# Altium PCB HAWACO_DATALOGER_DT-G2_V1.0.3.PcbDoc (part 1 of 3) (continued)
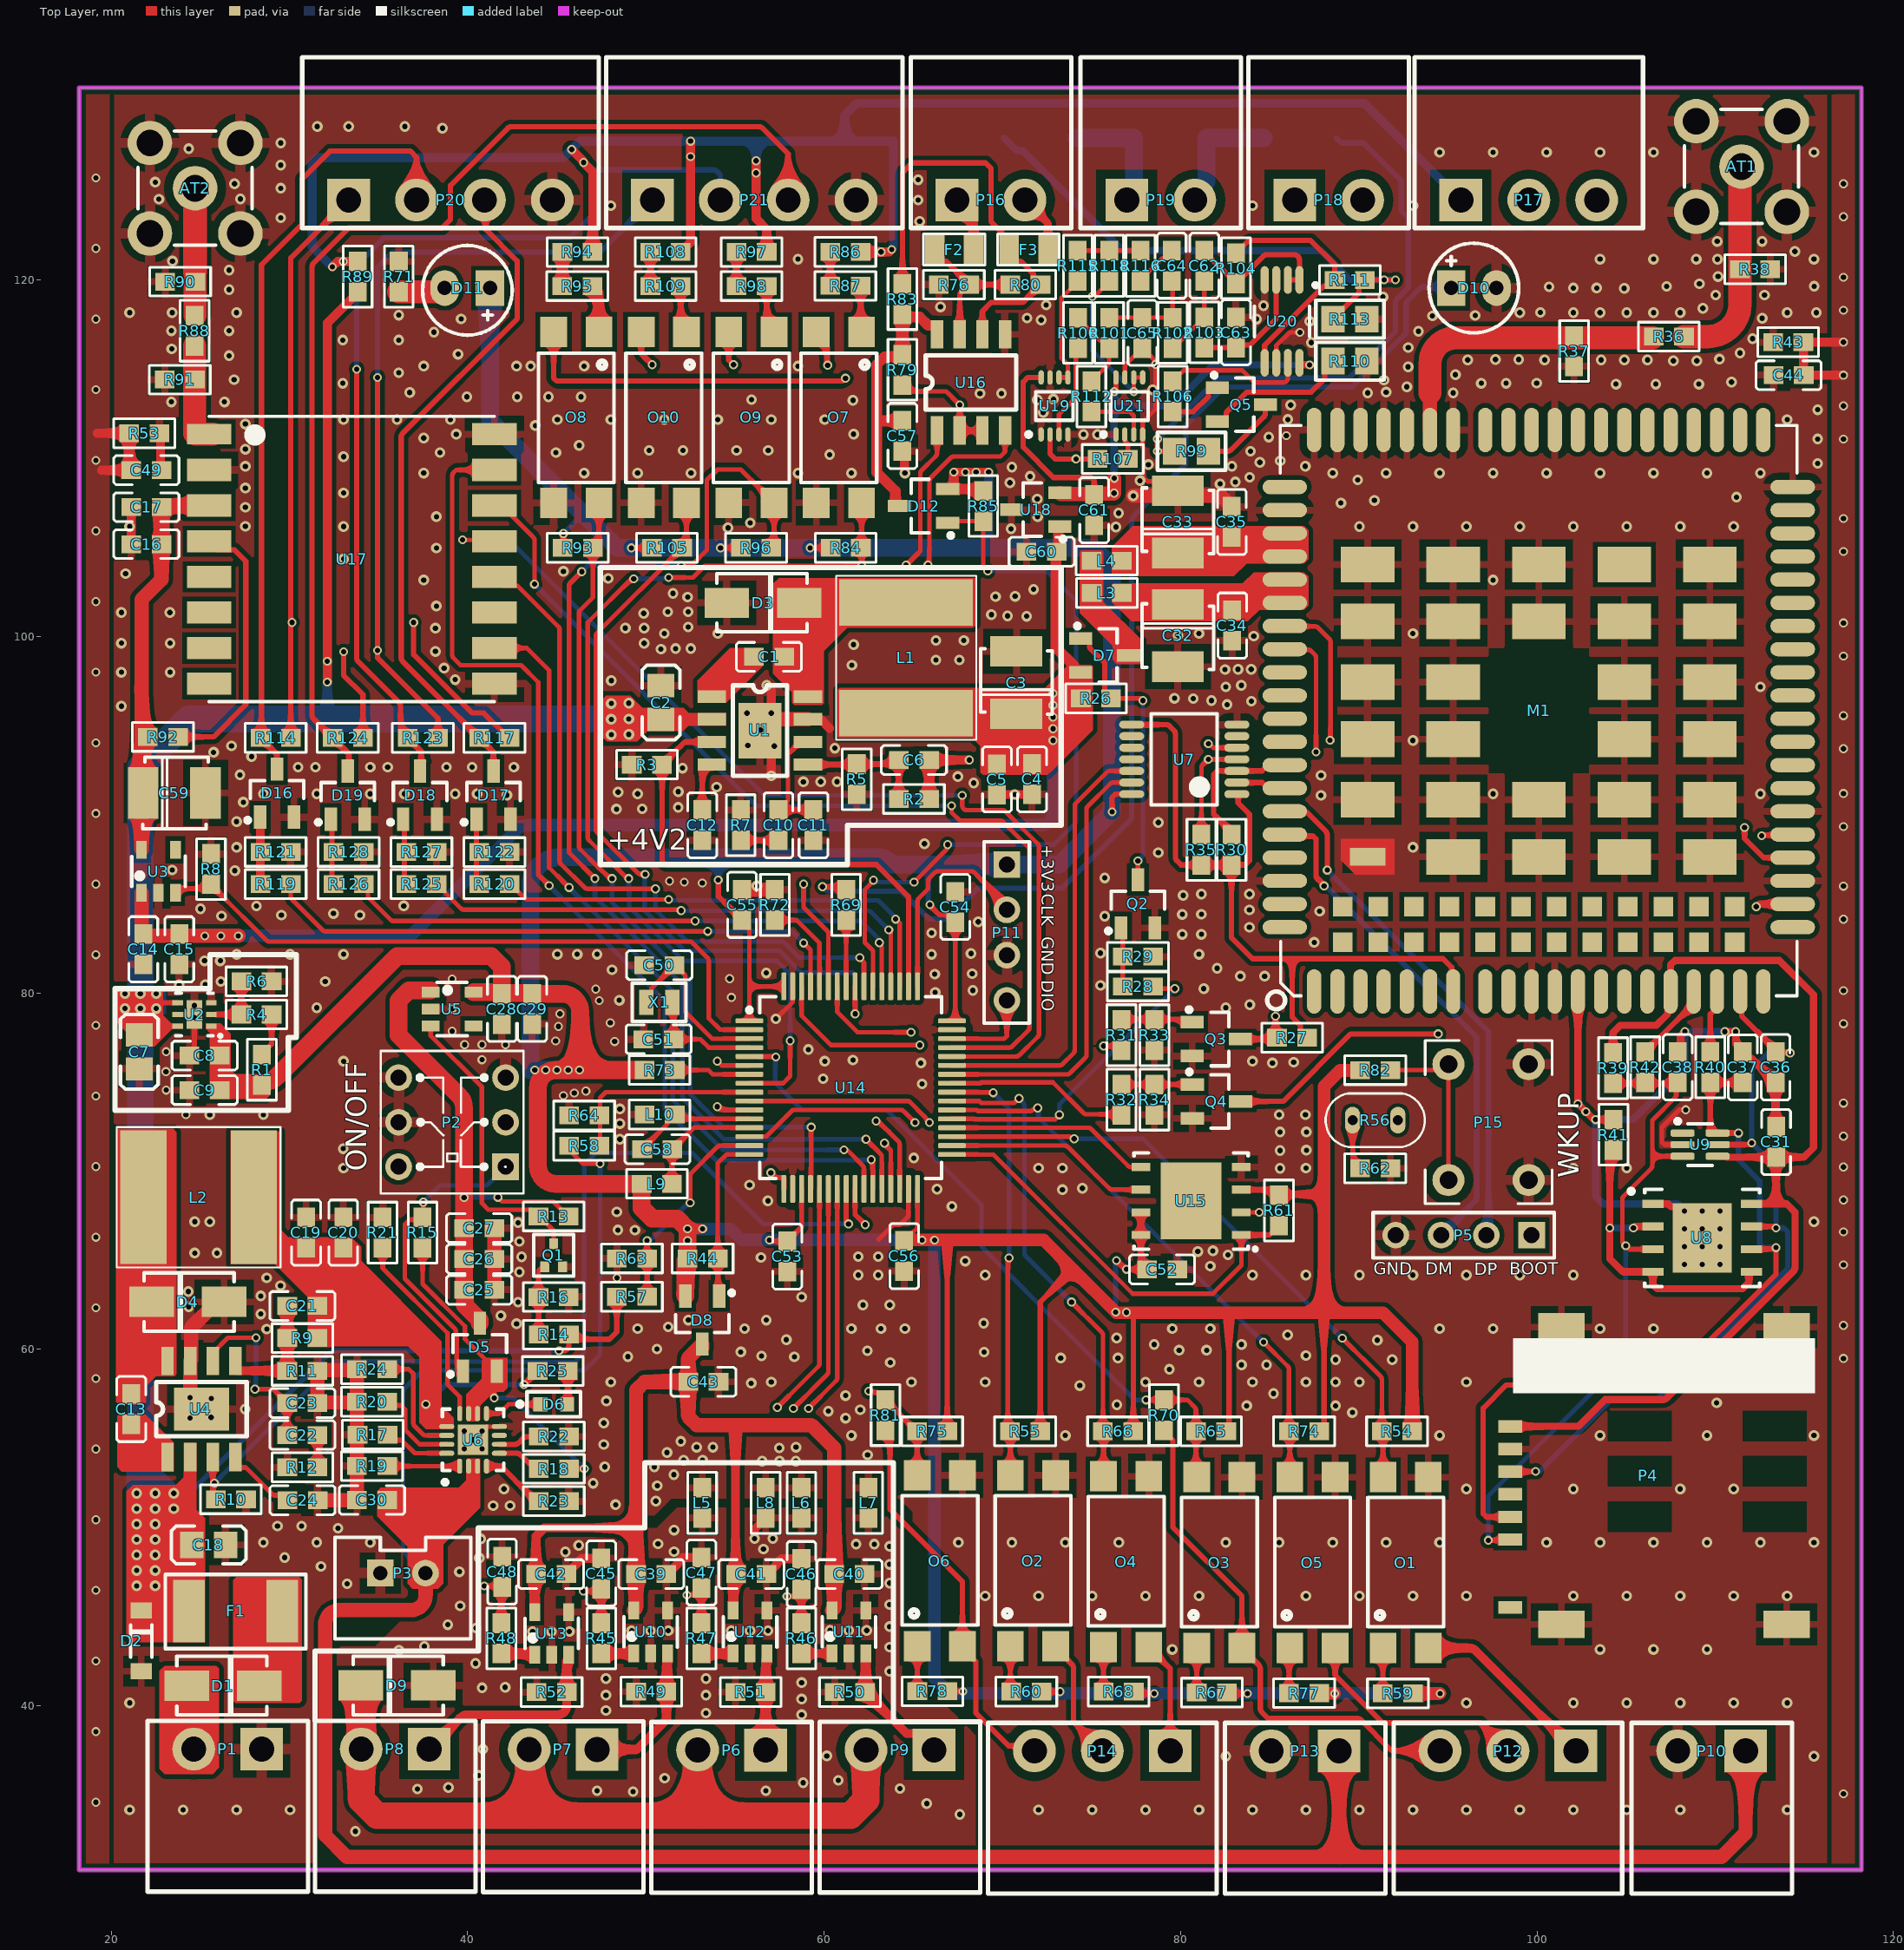
[diagram p0: Top Layer view]
## Components (designator, comment, footprint, x,y, rotation, side; value= is the part's Value field where it differs from the comment) (continued)
R57 "470K" "RESC-0603 (1608)" 49.221,62.953 r180 top
R58 "470K" "RESC-0603 (1608)" 46.54,71.42 r180 top
R59 "1K" "RESC-0603 (1608)" 92.202,40.691 r180 top
R60 "1K" "RESC-0603 (1608)" 71.349,40.792 r180 top
R61 "10K" "RESC-0603 (1608)" 85.522,67.79 r270 top
R62 "200K" "RESC-0603 (1608)" 90.932,70.155 r180 top
R63 "68K" "RESC-0603 (1608)" 49.221,65.1 r0 top
R64 "470K" "RESC-0603 (1608)" 46.54,73.121 r0 top
R65 "100K" "RESC-0603 (1608)" 81.717,55.397 r0 top
R66 "100K" "RESC-0603 (1608)" 76.5,55.397 r0 top
R67 "1K" "RESC-0603 (1608)" 81.763,40.742 r180 top
R68 "1K" "RESC-0603 (1608)" 76.53,40.792 r180 top
R69 "330R" "RESC-0603 (1608)" 61.243,84.938 r270 top
R70 "NF" "RESC-0603 (1608)" 79.07,56.312 r90 top value=0R
R71 "NF" "RESC-0603 (1608)" 36.141,120.187 r270 top value=180R
R72 "100K" "RESC-0603 (1608)" 57.241,84.938 r270 top
R73 "1M" "RESC-0603 (1608)" 50.775,75.671 r0 top
R74 "100K" "RESC-0603 (1608)" 86.934,55.397 r0 top
R75 "100K" "RESC-0603 (1608)" 66.065,55.397 r0 top
R76 "560R" "RESC-0603 (1608)" 67.285,119.736 r180 top
R77 "1K" "RESC-0603 (1608)" 86.938,40.71 r180 top
R78 "1K" "RESC-0603 (1608)" 66.085,40.811 r180 top
R79 "10K" "RESC-0603 (1608)" 64.398,114.96 r90 top
R80 "120R" "RESC-0603 (1608)" 71.298,119.736 r180 top
R81 "NF" "RESC-0603 (1608)" 63.449,56.312 r90 top value=0R
R82 "100K" "RESC-0603 (1608)" 90.927,75.665 r180 top
R83 "560R" "RESC-0603 (1608)" 64.398,118.926 r90 top
R84 "10K" "RESC-0603 (1608)" 61.219,104.966 r180 top
R85 "100K" "RESC-0603 (1608)" 68.936,107.319 r90 top
R86 "5K1" "RESC-0603 (1608)" 61.199,121.571 r180 top
R87 "5K1" "RESC-0603 (1608)" 61.199,119.666 r0 top
R88 "0R" "RESC-0603 (1608)" 24.689,117.151 r90 top
R89 "NF" "RESC-0603 (1608)" 33.833,120.187 r90 top value=0R
R90 "NF" "RESC-0603 (1608)" 23.875,119.905 r0 top value=0R
R91 "NF" "RESC-0603 (1608)" 23.851,114.408 r0 top value=0R
R92 "NF" "RESC-0603 (1608)" 22.911,94.361 r180 top value=10K
R93 "10K" "RESC-0603 (1608)" 46.182,104.966 r180 top
R94 "5K1" "RESC-0603 (1608)" 46.169,121.564 r180 top
R95 "5K1" "RESC-0603 (1608)" 46.157,119.659 r0 top
R96 "10K" "RESC-0603 (1608)" 56.19,104.966 r180 top
R97 "5K1" "RESC-0603 (1608)" 55.936,121.564 r180 top
R98 "5K1" "RESC-0603 (1608)" 55.936,119.659 r0 top
R99 "100R/10ppm" "RESC-0805 (2012)" 80.62,110.388 r180 top
R100 "4K7" "RESC-0603 (1608)" 74.256,117.034 r90 top
R101 "20K" "RESC-0603 (1608)" 75.998,117.034 r90 top
R102 "15K/10ppm" "RESC-0603 (1608)" 79.561,117.033 r270 top
R103 "15K/10ppm" "RESC-0603 (1608)" 81.339,117.058 r270 top
R104 "15K/10ppm" "RESC-0603 (1608)" 83.117,120.658 r90 top
R105 "10K" "RESC-0603 (1608)" 51.186,104.966 r180 top
R106 "200R" "RESC-0603 (1608)" 79.561,113.457 r270 top
R107 "0R" "RESC-0603 (1608)" 76.2,109.957 r180 top
R108 "5K1" "RESC-0603 (1608)" 51.11,121.564 r180 top
R109 "5K1" "RESC-0603 (1608)" 51.11,119.659 r0 top
R110 "100R/10ppm" "RESC-0805 (2012)" 89.505,115.444 r180 top
R111 "12K/10ppm" "RESC-0603 (1608)" 89.505,120.002 r180 top
R112 "1M" "RESC-0603 (1608)" 75.002,113.457 r90 top
R113 "100R/10ppm" "RESC-0805 (2012)" 89.505,117.805 r0 top
R114 "10K" "RESC-0603 (1608)" 29.232,94.307 r0 top
R115 "4K7" "RESC-0603 (1608)" 74.239,120.798 r90 top
R116 "20K" "RESC-0603 (1608)" 77.757,120.798 r270 top
R117 "10K" "RESC-0603 (1608)" 41.505,94.307 r0 top
R118 "1M" "RESC-0603 (1608)" 75.998,120.798 r90 top
R119 "1K" "RESC-0603 (1608)" 29.232,86.105 r180 top
R120 "1K" "RESC-0603 (1608)" 41.505,86.105 r180 top
R121 "100K" "RESC-0603 (1608)" 29.232,87.909 r180 top
R122 "100K" "RESC-0603 (1608)" 41.505,87.898 r180 top
R123 "10K" "RESC-0603 (1608)" 37.491,94.307 r0 top
R124 "10K" "RESC-0603 (1608)" 33.278,94.307 r0 top
R125 "1K" "RESC-0603 (1608)" 37.414,86.105 r180 top
R126 "1K" "RESC-0603 (1608)" 33.323,86.105 r180 top
R127 "100K" "RESC-0603 (1608)" 37.414,87.898 r180 top
R128 "100K" "RESC-0603 (1608)" 33.325,87.909 r180 top
U1 "TPS54231DR" "SOIC8 - TP" 56.404,94.713 r270 top
U2 "TPS7A26125DRVR" WSON6 24.677,78.787 r180 top
U3 "NF" SOT23-5 22.657,86.817 r0 top value=TPS7A0233PDBVR
U4 "TPS54231DR" "SOIC8 - TP" 25.07,56.648 r0 top
U5 "TPS7A0233PDBVR" SOT23-5 39.132,79.098 r270 top
U6 "BQ24073RGTT" RGT16-1700X1700TP 40.31,54.919 r90 top
U7 "TXS0104EPWR" TSOP65P640X120-14N 80.213,93.102 r180 top
U8 "E-SIM" "MFF2 ESIM" 109.274,66.256 r0 top
U9 "SMF05CT1G" SOT363 109.154,71.484 r270 top
U10 "INA180A2" SOT23-5 50.267,44.145 r0 top
U11 "INA180A2" SOT23-5 61.392,44.145 r0 top
U12 "INA180A2" SOT23-5 55.855,44.145 r0 top
U13 "INA180A2" SOT23-5 44.715,44.061 r0 top
U14 "STM32L071RZT6TR" LQFP-64 61.493,74.68 r0 top
U15 "W25Q80DLZPIG TR" "WSON-8 6X5MM" 80.594,68.324 r180 top
U16 "RS485" SOIC8 68.25,114.249 r0 top
U17 "NF" "Lora1276 V1.2" 33.503,104.343 r0 top value=RA-01S
U18 "REF3040AIDBZR" SOT23_3 71.882,107.112 r180 top
U19 "SN74LVC2G240DCUR" SN74LVC2G240DCUR 72.932,112.931 r90 top
U20 "OPA2333" 8VSSOP 85.7,117.678 r270 top
U21 "SN74LVC2G240DCUR" SN74LVC2G240DCUR 77.128,112.931 r90 top
X1 "32.768KHz" "CRYSTAL_ABS06 2X1.2MM" 50.759,79.47 r0 top

## Footprints (in the part's own frame and the unit in brackets; to place one, negate y for a bottom-side part, rotate by r counter-clockwise, add the part's x,y. Pads: shape width x height; smd on the part's side, far side on the other; paste and mask are expansions set on the pad)
8VSSOP [mm]
  oval 1.55x0.45 smd paste+0 mask+0.051: 1(-2.325,0.975) 2(-2.325,0.325) 3(-2.325,-0.325) 4(-2.325,-0.975) 5(2.325,-0.975) 6(2.325,-0.325) 7(2.325,0.325) 8(2.325,0.975)
  silkscreen extent -2.14,-1.55 0.85,1.98, body extent -2.39,-1.5 2.52,1.5, height 1.1
"BUTTON 4P_6X6" [mm]
  round 1.8 hole 1: 1(-3.25,2.25) 2(3.25,2.25) 3(-3.25,-2.25) 4(3.25,-2.25)
  silkscreen extent -4.57,-3.56 4.57,3.56, body extent -3.5,-2.41 3.5,2.59, height 14.02
CAP_TANTAL_1210(3528) [mm] "Capacitor, Chip; 3.50 mm L X 2.80 mm W X 1.40 mm H body"
  rect 1.71x2.91 smd: 1(-1.75,0) 2(1.75,0)
  silkscreen extent -1.78,-2.01 1.91,2.01, body extent -1.87,-1.42 1.82,1.4, height 2.09
"CAPC-0603 (1608)" [mm] "Resistor, Chip; 1.60 mm L X 0.80 mm W X 0.50 mm H body"
  rect 1.1x1 smd mask+0.1: 1(-0.85,0) 2(0.85,0)
  silkscreen extent -1.83,-0.81 1.83,0.81, body extent -0.8,-0.4 0.8,0.4, height 0.6
"CAPC-0805 (2012)" [mm] "Resistor, Chip; 2.00 mm L X 1.25 mm W X 0.70 mm H body"
  rect 1.3x1.5 smd: 1(-0.95,0) 2(0.95,0)
  silkscreen extent -2.1,-1.06 2.1,1.06, body extent -1,-0.62 1,0.63, height 0.7
"CRYSTAL_ABS06 2X1.2MM" [mm] "Crystal 2x1.2mm"
  rect 0.8x1.4 smd: 1(-0.725,0) 2(0.725,0)
  silkscreen extent -1.52,-1.07 1.5,1.07, body extent -1,-0.61 1,0.61, height 0.6
DIODE_DO214AC_SMA [mm] "Diode 2214AC- SMA type"
  rect 2.5x1.7 smd: 1(-2.032,0) 2(2.032,0)
  silkscreen extent -2.59,-1.63 2.46,1.7, body extent -2.53,-1.35 2.47,1.35, height 2.25
EC21 [mm]
  oval 2.5x0.8 smd: 1(-15.75,12.6) 2(-15.75,11.3) 3(-15.75,10) 4(-15.75,8.7) 5(-15.75,7.4) 6(-15.75,6.1) 7(-15.75,4.8) 8(-15.75,0.4) 9(-15.75,-0.9) 10(-15.75,-2.2) 11(-15.75,-3.5) 12(-15.75,-4.8) 13(-15.75,-6.1) 14(-15.75,-7.4) 15(-15.75,-8.7) 16(-15.75,-10) 17(-15.75,-11.3) 18(-15.75,-12.6) 37(15.75,-12.6) 38(15.75,-11.3) 39(15.75,-10) 40(15.75,-8.7) 41(15.75,-7.4) 42(15.75,-6.1) 43(15.75,-4.8) 44(15.75,-3.5) 45(15.75,-2.2) 46(15.75,-0.9) 47(15.75,0.4) 48(15.75,4.8) 49(15.75,6.1) 50(15.75,7.4) 51(15.75,8.7) 52(15.75,10) 53(15.75,11.3) 54(15.75,12.6) 141(-15.75,3) 142(-15.75,1.7) 143(15.75,1.7) 144(15.75,3)
  oval 0.8x2.5 smd: 19(-9.55,-14.25) 20(-8.25,-14.25) 21(-6.95,-14.25) 22(-5.65,-14.25) 23(-4.35,-14.25) 24(-3.05,-14.25) 25(-1.75,-14.25) 26(-0.45,-14.25) 27(0.85,-14.25) 28(2.15,-14.25) 29(3.45,-14.25) 30(4.75,-14.25) 31(6.05,-14.25) 32(7.35,-14.25) 33(8.65,-14.25) 34(9.95,-14.25) 35(11.25,-14.25) 36(12.55,-14.25) 55(12.55,14.25) 56(11.25,14.25) 57(9.95,14.25) 58(8.65,14.25) 59(7.35,14.25) 60(6.05,14.25) 61(4.75,14.25) 62(3.45,14.25) 63(2.15,14.25) 64(0.85,14.25) 65(-0.45,14.25) 66(-1.75,14.25) 67(-3.05,14.25) 68(-4.35,14.25) 69(-5.65,14.25) 70(-6.95,14.25) 71(-8.25,14.25) 72(-9.55,14.25) 113(-10.85,14.25) 114(-12.15,14.25) 115(-10.85,-14.25) 116(-12.15,-14.25)
  rect 2x3 smd: 85(8.2,9.6) 86(8.2,4.8) 87(8.2,0) 88(8.2,-4.8) 89(8.2,-9.6) 90(5,9.6) 91(5,4.8) 92(5,0) 93(5,-4.8) 94(5,-9.6) 95(1.6,9.6) 96(1.6,4.8) 97(1.6,-4.8) 98(1.6,-9.6) 99(-1.6,9.6) 100(-1.6,4.8) 101(-1.6,-4.8) 102(-1.6,-9.6) 103(-5,9.6) 104(-5,4.8) 105(-5,0) 106(-5,-4.8) 107(-5,-9.6) 109(-8.2,4.8) 110(-8.2,0) 111(-8.2,-4.8) 112(-8.2,-9.6)
  rect 1x2 smd: 108(-8.2,9.6)
  rect 1.1x1.1 smd: 117(-11,11) 118(-11,9) 119(-11,7) 120(-11,5) 121(-11,3) 122(-11,1) 123(-11,-1) 124(-11,-3) 125(-11,-5) 126(-11,-7) 127(-11,-9) 128(-11,-11) 129(-13,11) 130(-13,9) 131(-13,7) 132(-13,5) 133(-13,3) 134(-13,1) 135(-13,-1) 136(-13,-3) 137(-13,-5) 138(-13,-7) 139(-13,-9) 140(-13,-11)
  Top Layer region: -9.2,10.3 -8.4,11.1 -7.2,11.1 -7.2,8.1 -9.2,8.1 -9.2,10.3
  Top Layer pour cut-out: 3.5,2.8 -3.5,2.8 -3.5,-2.8 3.5,-2.8 3.5,2.8
  silkscreen extent -16.76,-14.5 16,15.23, body extent -16.01,-14.57 16.02,14.49, height 2.54
"FUSE 0ZCK_BEL" [mm]
  rect 1.1x1.6 smd paste+0 mask+0: 1(-1.092,0) 2(1.092,0)
  silkscreen extent -1.73,-0.88 1.73,0.88, body extent -1.16,-0.75 1.16,0.75, height 1.81
FUSE_1812(4532) [mm]
  rect 1.78x3.5 smd: 1(-2.615,0) 2(2.615,0)
  silkscreen extent -3.94,-2.06 3.94,2.11, body extent -2.43,-1.61 2.39,1.61, height 1.32
HDR1X4 [mm] "Connector; Header; 4 Position"
  rect 1.5x1.5 hole 0.9: 1(0,0)
  round 1.5 hole 0.9: 2(2.54,0) 3(5.08,0) 4(7.62,0)
  silkscreen extent -1.27,-1.27 8.89,1.27
HDR_3.81MM_RA_2x1 [mm] "Header 2, pitch 3.81mm, right angle"
  rect 2.4x2.4 hole 1.4: 1(0,0)
  round 2.4 hole 1.4: 2(3.81,0)
  silkscreen extent -2.6,-1.57 6.41,8, body extent -2.6,-1.2 6.41,8, height 7.2
HDR_3.81MM_RA_3x1 [mm] "Header 3, pitch 3.81mm, right angle"
  rect 2.4x2.4 hole 1.4: 1(0,0)
  round 2.4 hole 1.4: 2(3.81,0) 3(7.62,0)
  silkscreen extent -2.6,-1.57 10.22,8, body extent -2.6,-1.2 10.22,8, height 7.2
HDR_3.81MM_RA_4X1 [mm] "Header 3, pitch 3.81mm, right angle"
  rect 2.4x2.4 hole 1.4: 1(0,0)
  round 2.4 hole 1.4: 2(3.81,0) 3(7.62,0) 4(11.43,0)
  silkscreen extent -2.6,-1.57 14.03,8, body extent -2.36,-1.17 13.67,8.03, height 7.3
"IND-0603 (1608)" [mm] "Resistor, Chip; 1.60 mm L X 0.80 mm W X 0.50 mm H body"
  rect 1.1x1 smd mask+0.1: 1(-0.85,0) 2(0.85,0)
  silkscreen extent -1.71,-0.81 1.71,0.81, body extent -0.8,-0.4 0.8,0.4, height 1.4
IND-74404084150 [mm] "Shielded Inductor 8x8mm"
  rect 2.6x7.5 smd: 1(-3.1,0) 2(3.1,0)
  silkscreen extent -4.6,-3.94 4.6,3.94, body extent -4,-4 4,4, height 4.2
KFC8x8 [mm]
  rect 1.5x1.5 hole 0.9: 1(-3,2.5)
  round 1.5 hole 0.9: 2(-3,0) 3(-3,-2.5) 4(3,-2.5) 5(3,0) 6(3,2.5)
  silkscreen extent -4,-4 4,4, body extent -4,-4 4,4, height 13.5
"LED 0603" [mm]
  rect 0.8x0.8 smd: 1(-0.75,0) 2(0.75,0)
  silkscreen extent -1.5,-0.7 2.04,0.7, body extent -0.8,-0.4 0.8,0.4, height 0.75
LED_3MM-GREEN [mm] "LED GREEN 3MM T/H"
  rect 1.6x2 hole 0.8: 1(0,0)
  oval 1.6x2 hole 0.8: 2(2.54,0)
  silkscreen extent -1.25,-2.51 3.78,2.52, body extent -0.48,-1.93 3.02,2.07, height 6.2
LED_3MM-RED [mm] "LED RED 3MM T/H"
  rect 1.6x2 hole 0.8: 1(0,0)
  oval 1.6x2 hole 0.8: 2(2.54,0)
  silkscreen extent -1.25,-2.39 3.78,2.65, body extent -0.72,-1.5 3.26,1.99, height 20.38
"Lora1276 V1.2" [mm]
  rect 2.5x1.143 smd: 1(-8,7)
  rect 2.5x1.25 smd: 2(-8,5) 3(-8,3) 4(-8,1) 5(-8,-1) 6(-8,-3) 7(-8,-5) 8(-8,-7) 9(8,-7) 10(8,-5) 11(8,-3) 12(8,-1) 13(8,1) 14(8,3) 15(8,5) 16(8,7)
  silkscreen extent -8,-8 8,8, body extent -8,-8.5 8,8.5, height 3.2
LQFP-64 [mm] "Low Profile Quad Flat Pack (LQFP), 0.50 mm pitch; square, 16 pin X 16 pin, 10.00 mm L X 10.00 mm W X 1.60 mm H body"
  rrect50% 1.56x0.28 smd: 1(-5.68,3.75) 2(-5.68,3.25) 3(-5.68,2.75) 4(-5.68,2.25) 5(-5.68,1.75) 6(-5.68,1.25) 7(-5.68,0.75) 8(-5.68,0.25) 9(-5.68,-0.25) 10(-5.68,-0.75) 11(-5.68,-1.25) 12(-5.68,-1.75) 13(-5.68,-2.25) 14(-5.68,-2.75) 15(-5.68,-3.25) 16(-5.68,-3.75) 33(5.68,-3.75) 34(5.68,-3.25) 35(5.68,-2.75) 36(5.68,-2.25) 37(5.68,-1.75) 38(5.68,-1.25) 39(5.68,-0.75) 40(5.68,-0.25) 41(5.68,0.25) 42(5.68,0.75) 43(5.68,1.25) 44(5.68,1.75) 45(5.68,2.25) 46(5.68,2.75) 47(5.68,3.25) 48(5.68,3.75)
  rrect50% 0.28x1.56 smd: 17(-3.75,-5.68) 18(-3.25,-5.68) 19(-2.75,-5.68) 20(-2.25,-5.68) 21(-1.75,-5.68) 22(-1.25,-5.68) 23(-0.75,-5.68) 24(-0.25,-5.68) 25(0.25,-5.68) 26(0.75,-5.68) 27(1.25,-5.68) 28(1.75,-5.68) 29(2.25,-5.68) 30(2.75,-5.68) 31(3.25,-5.68) 32(3.75,-5.68) 49(3.75,5.68) 50(3.25,5.68) 51(2.75,5.68) 52(2.25,5.68) 53(1.75,5.68) 54(1.25,5.68) 55(0.75,5.68) 56(0.25,5.68) 57(-0.25,5.68) 58(-0.75,5.68) 59(-1.25,5.68) 60(-1.75,5.68) 61(-2.25,5.68) 62(-2.75,5.68) 63(-3.25,5.68) 64(-3.75,5.68)
  silkscreen extent -5.8,-5.1 5.1,5.1, body extent -6,-6 6,6, height 1.49
"MFF2 ESIM" [mm] "SON, 8-Leads, Body 5.00x6.00mm, Pitch 1.27mm, Thermal Pad 3.90x3.30mm, IPC Medium Density"
  rect 1.2x0.45 smd: 1(-2.77,1.905) 2(-2.77,0.635) 3(-2.77,-0.635) 4(-2.77,-1.905) 5(2.77,-1.905) 6(2.77,-0.635) 7(2.77,0.635) 8(2.77,1.905)
  rect 3.3x3.9 smd paste-1.65: 9(0,0)
  silkscreen extent -4.12,-2.73 3.22,2.75, body extent -3.13,-2.58 3.13,2.58, height 0.5
MUP-C792 [mm] "MicroSIM Card PUSH - PUSH HOLDER"
  rect 0.7x1.35 smd: 1(0,0) 2(-2.54,0) 3(-5.08,0) 5(-1.27,0) 6(-3.81,0) 7(-6.35,0) CD(-10.16,0)
  rect 1.55x2.6 smd: 8(-11.105,-2.875) 8(5.575,-2.875) 9(-11.105,-15.505) 9(5.575,-15.505)
  Top Layer pour cut-out: -5.91,-13.045 -4.21,-13.045 -4.21,-16.625 -5.91,-16.625
  Top Layer pour cut-out: -3.37,-13.045 -1.67,-13.045 -1.67,-16.625 -3.37,-16.625
  Top Layer pour cut-out: -0.83,-13.045 0.87,-13.045 0.87,-16.625 -0.83,-16.625
  Top Layer pour cut-out: -0.83,-5.485 0.87,-5.485 0.87,-9.065 -0.83,-9.065
  Top Layer pour cut-out: -3.37,-5.485 -1.67,-5.485 -1.67,-9.065 -3.37,-9.065
  Top Layer pour cut-out: -5.91,-5.485 -4.21,-5.485 -4.21,-9.065 -5.91,-9.065
  silkscreen extent 1.86,-17.1 4.95,-0.15, body extent -10.67,-17.11 5.14,0, height 1.5
"OPTO 1" [mm]
  rect 1.7x1.5 smd: 1(-4.795,1.27) 2(-4.795,-1.27) 3(4.795,-1.27) 4(4.795,1.27)
  silkscreen extent -3.6,-2.13 3.65,2.12, body extent -5.09,-2.42 4.94,2.42, height 3.82
"RES NTC 10K" [mm]
  oval 1.5x0.85 hole 0.55 mask+0.2: 1(0,1.27) 2(0,-1.27)
  silkscreen extent -1.5,-2.78 1.5,2.78, body extent -1.25,-1.47 1.25,1.47, height 39.3
"RESC-0603 (1608)" [mm] "Resistor, Chip; 1.60 mm L X 0.80 mm W X 0.50 mm H body"
  rect 1.1x1 smd mask+0.1: 1(-0.85,0) 2(0.85,0)
  silkscreen extent -1.71,-0.81 1.71,0.81, body extent -0.8,-0.4 0.8,0.4, height 0.5
"RESC-0805 (2012)" [mm] "Resistor, Chip; 2.00 mm L X 1.25 mm W X 0.70 mm H body"
  rect 1.3x1.5 smd: 1(-0.95,0) 2(0.95,0)
  silkscreen extent -1.91,-1.06 1.91,1.06, body extent -1,-0.62 1,0.63, height 0.45
RGT16-1700X1700TP [mm] "QFN, 16-Leads, Body 3x3mm, Pitch 0.5mm, Thermal Pad 1.7x1.7mm, TI Recommended"
  oval 0.85x0.28 smd paste-0.025 mask+0.07: 1(-1.475,0.75) 2(-1.475,0.25) 3(-1.475,-0.25) 4(-1.475,-0.75) 9(1.475,-0.75) 10(1.475,-0.25) 11(1.475,0.25) 12(1.475,0.75)
  oval 0.28x0.85 smd paste-0.025 mask+0.07: 5(-0.75,-1.475) 6(-0.25,-1.475) 7(0.25,-1.475) 8(0.75,-1.475) 13(0.75,1.475) 14(0.25,1.475) 15(-0.25,1.475) 16(-0.75,1.475)
  rect 1.7x1.7 smd paste-0.85 mask+0.07: 17(0,0)
  silkscreen extent -2.5,-1.73 1.73,1.73, body extent -1.57,-1.57 1.58,1.58, height 1
SMA-KWE-17-V1 [mm]
  round 2.5 hole 1.5: 1(0,0) 2(-2.54,-2.54) 2(-2.54,2.54) 2(2.54,-2.54) 2(2.54,2.54)
  silkscreen extent -3.2,-3.2 3.2,3.2, body extent -3.2,-3.2 15.8,3.2, height 9.6
SN74LVC2G240DCUR [mm]
  oval 0.8x0.3 smd: 1(-1.6,0.75) 2(-1.6,0.25) 3(-1.6,-0.25) 4(-1.6,-0.75) 5(1.6,-0.75) 6(1.6,-0.25) 7(1.6,0.25) 8(1.6,0.75)
  silkscreen extent -1.72,-1.05 0.8,1.57, body extent -1.55,-1.05 1.55,1.05, height 0.9
SOD123 [mm]
  rect 0.9x1.2 smd: 1(-1.7,0) 2(1.7,0)
  round 0.5 on Top Overlay: 2(1.219,1.067)
  silkscreen extent -0.9,-0.6 0.9,0.6, body extent -1.25,-0.63 1.25,0.62, height 0.99
SOIC8 [mm] "OPA2333"
  round 0.8 on Top Overlay: 0(-1.905,-0.9)
  rect 0.7x1.6 smd: 1(-1.905,-2.7) 2(-0.635,-2.7) 3(0.635,-2.7) 4(1.905,-2.7) 5(1.905,2.7) 6(0.635,2.7) 7(-0.635,2.7) 8(-1.905,2.7)
  silkscreen extent -2.54,-1.52 2.54,1.52, body extent -2.45,-3 2.45,3, height 1.63
"SOIC8 - TP" [mm] "SOIC 8 pin with Thermal Pad"
  round 0.8 on Top Overlay: 0(-1.975,-0.975)
  rect 0.7x1.6 smd: 1(-1.905,-2.7) 2(-0.635,-2.7) 3(0.635,-2.7) 4(1.905,-2.7) 5(1.905,2.7) 6(0.635,2.7) 7(-0.635,2.7) 8(-1.905,2.7)
  rect 3.1x2.4 smd: 9(0,0)
  silkscreen extent -2.54,-1.52 2.54,1.52, body extent -2.45,-3 2.45,3, height 1.63
SOT23-5 [mm]
  rect 0.6x1 smd: 1(-0.95,-1.2) 2(0,-1.2) 3(0.95,-1.2) 4(0.95,1.2) 5(-0.95,1.2)
  silkscreen extent -1.5,-0.85 1.5,0.85, body extent -1.46,-1.17 1.46,1.17, height 1
SOT23_3 [mm] "SOT23, 3-Leads, Body 2,90x2,30mm, Pitch 0,95mm, IPC Medium Density"
  rect 1.3x0.7 smd: 1(-1.35,0.95) 2(-1.35,-0.95) 3(1.35,0)
  silkscreen extent -1.65,-1.5 0.7,1.78, body extent -1.3,-1.5 1.3,1.5, height 1.1
SOT363 [mm] "Small Outline Transistor (SOT23), 0.65 mm pitch; 6 pin, 2.00 mm L X 1.25 mm W X 1.10 mm H body"
  rrect50% 0.4x1.34 smd: 1(-0.65,-0.98) 2(0,-0.98) 3(0.65,-0.98) 4(0.65,0.98) 5(0,0.98) 6(-0.65,0.98)
  silkscreen extent -1.44,-1.38 1.18,0.68, body extent -1.1,-1.2 1.1,1.2, height 1.1
SOT-416 [mm] "NXP recommended footprint."
  rect 0.6x0.5 smd: 1(-0.65,0.5) 2(-0.65,-0.5) 3(0.65,0)
  silkscreen extent -1.17,-1.12 1.17,1.12, body extent -0.8,-0.9 0.8,0.9, height 0.82
TSOP65P640X120-14N [mm] "TSOP, 14-Leads, Body 5.00x4.40mm, Pitch 0.65mm, IPC Medium Density"
  oval 1.4x0.45 smd: 1(-2.95,1.95) 2(-2.95,1.3) 3(-2.95,0.65) 4(-2.95,0) 5(-2.95,-0.65) 6(-2.95,-1.3) 7(-2.95,-1.95) 8(2.95,-1.95) 9(2.95,-1.3) 10(2.95,-0.65) 11(2.95,0) 12(2.95,0.65) 13(2.95,1.3) 14(2.95,1.95)
  silkscreen extent -1.85,-2.55 1.85,2.55, body extent -3.2,-2.55 3.2,2.55, height 1.2
WSON6 [mm]
  rect 0.6x0.3 smd: 1(-0.945,0.65) 2(-0.945,0) 3(-0.945,-0.65) 4(0.945,-0.65) 5(0.945,0) 6(0.945,0.65)
  rect 0.89x1.6 smd: 7(0,0)
  silkscreen extent -1.5,-1.2 1.05,1.25, body extent -1.07,-1.05 1.07,1.05, height 0.8
"WSON-8 6X5MM" [mm] "6X5MM"
  rect 1.05x0.45 smd: 1(-2.82,1.905) 2(-2.82,0.635) 3(-2.82,-0.635) 4(-2.82,-1.905) 5(2.82,-1.905) 6(2.82,-0.635) 7(2.82,0.635) 8(2.82,1.905)
  rect 3.4x4.3 smd paste-1.5: 9(0,0)
  silkscreen extent -3.65,-2.7 3.2,2.75, body extent -3.07,-2.55 3.07,2.55, height 0.8
XH2.54-2P [mm] "PITCH 2.54MM 2P 180 DEGREE"
  rect 1.5x1.5 hole 0.8: 1(-1.905,0)
  round 1.5 hole 0.8: 2(0.635,0)
  silkscreen extent -4.44,-3.7 3.17,2, body extent -4.33,-3.53 3.06,2.27, height 7

## Part data
AT1 AT2: library part GKZS-SMAJZM-KWE-17.3, MFR=GAOKE, MPN=GKZS-SMAJZM-KWE-17.3, Solder=WAVE
C1 C5 C13 C15 C17 C20 C27 C29 C31 C34 C35 C39 C40 C41 C42 C44 C49 C52 C53 C54 C55 C56 C58 C60: library part C0603C104K5RACTU, "CAP CER 0.1uF 50V 10% X7R 0603", MPN=C0603C104K5RACTU, Solder=SMT
  C1 C5 C13 C15 C17 C20 C27 C29: Category=CAPACITOR, CompanyID=VT-00982
  C31 C34 C35: CompanyID=VT-00982
  C39 C40 C41 C42 C44 C49 C52 C53 C54 C55 C56 C58 C60: Company ID=VT00574
C2 C7 C18: library part GMC21X5R106K25NT, "CAP0805 X5R 10UF 10% 25V", MFR="CAL-CHIP ELECTRONICS, INC.", Category=Capacitor, MPN=GMC21X5R106K25NT, Solder=SMT
C3 C32 C33 C59: library part T520B227M006ATE035, "CAP TANT POLY 220uF 20% 6.3V 3528 35mOhm ESR", MPN=T520B227M006ATE035, Solder=SMT
  C3 C32 C33: CompanyID=VT-00643
  C59: Company ID=VT00099
C4 C19: library part GRM188R60J476ME15D, "CAP CER 47UF 6.3V X5R 0603", MFR="Murata Electronics", Category=CAPACITOR, MPN=GRM188R60J476ME15D, Solder=CAP-0603
C6 C10 C12 C21 C22 C24 C45 C46 C47 C48: library part CC0603KRX7R7BB103, "CAP CER 10nF 16V 10% X7R 0603", MPN=CC0603KRX7R7BB103, Solder=SMT
  C6 C21: Category=CAPACITOR, CompanyID=VT-00592
  C10 C12 C22 C24 C45 C46 C47 C48: Company ID=VT00031
C8 C9: library part CC0603KRX7R7BB105, "CAP CER 1uF 10% 16V X7R 0603", Company ID=VT00032, MPN=CC0603KRX7R7BB105, Solder=SMT
C11 C23: library part CL10C470JB8NNNC, "CAP CER 47pF 5% 50V C0G/NP0 0603", MPN=CL10C470JB8NNNC, Solder=SMT
C14 C16 C25 C26 C28 C30 C43 C61: library part CL10A106KP8NNNC, "CAP CER 10uF 10% 10V X5R 0603", MPN=CL10A106KP8NNNC, Solder=SMT
  C30: CompanyID=VT-00984
C36: library part CL10B471KB8NNNC, "CAP CER 470pF 10% 50V X7R 0603", Company ID=VT00072, MPN=CL10B471KB8NNNC, Solder=SMT
C37 C38 C50 C51: library part CL10C100JB8NNND, "CAP CER 10pF 5% 50V NP0 0603", Company ID=VT00076, MPN=CL10C100JB8NNND, Solder=SMT
C57: library part CC0603JRX7R9BB223, "CAP CER 0.022uF 5% 50V X7R 0603", MPN=CC0603JRX7R9BB223, Solder=SMT
C62 C63 C64 C65: library part GMC10CG103J25NT, "CAP CER 0.01UF 25V C0G/NP0 0603", MFR="CAL-CHIP ELECTRONICS, INC.", Category=Capacitor, MPN=GMC10CG103J25NT, Solder=Cap-0603
D1: library part SK36A-LTP, "DIODE SCHOTTKY 60V 3A DO214AC", Category=Diode, MPN=SK36A-LTP, Solder=DO214AC
D2: library part 1SMF16BT3, "TVS DIODE 16VWM 26VC SOD123FL", MFR="ON Semiconductor", Category=DIODE, MPN=1SMF16BT3, Solder=SOD-123FL
D3 D4: library part SK36A-LTP, "DIODE SCHOTTKY 60V 3A DO214AC", Manufacturer="Micro Commercial Co", Category=Diode, MPN=SK36A-LTP, Solder=DO214AC
D5 D7 D8 D12: library part AO3415, "MOSFET P-CH 20V 4A SOT23", MFR="Alpha & Omega Semiconductor Inc.", Category=DIODE, Company ID=VT00490, MPN=AO3415, Solder=SOT23
D6: library part "LED 0603 RED", "LED 0603 RED", Category="LED Diode", Company ID=VT00361, MPN="LED 0603 RED", Solder=0603
D9 D14: library part P4SMAJ26, "TVS DIODE 26VWM 46.6VC SMA/DO214", MFR="Diotec Semiconductor", Category=Diode, MPN=P4SMAJ26, Solder=SMT
D10: library part OVLBG4C7, "LED GREEN CLEAR 3MM ROUND T/H", MPN=OVLBG4C7, Solder=WAVE
D11: library part WP710A10SRC/E, "LED RED CLEAR 3MM ROUND T/H", MPN=WP710A10SRC/E, Solder=WAVE
D13 D15: "DIODE SCHOTTKY 40V 3A SMA", MFR=onsemi, Company ID=VT00542, MPN=SS34, Solder=SMT
D16 D17 D18 D19: "MOSFET N-CH 60V 1.6A SOT23", MFR="Diodes Incorporated", Category=MOSFET, Company ID=VT00176, MPN=DMN6140L-13, Solder=SOT23
F1: library part MPTS1812L16016R, "PTC RESET FUSE 16V 1.6A 1812", MFR=Meritek, MPN=MPTS1812L16016R, Solder="SMT 1812"
F2 F3: library part 0ZCK0075FF2E, "PTC RESET FUSE 6V 750MA 0805", Manufacturer="Bel Fuse Inc.", Category=Fuse, MPN=0ZCK0075FF2E, Solder=SMT
L1 L2: library part SWPA8040S100MT, "FIXED IND 10UH 3.3A 38 MOHM SMD", MFR="Shenzhen Sunlord Electronics Co., Ltd.", Category=INDUCTOR, DCR=38mOhm, MPN=SWPA8040S100MT
L3 L4 L5 L6 L7 L8 L9 L10: library part FBMJ1608HM230NT, "IND-FERRITE BEAD 23 OHM  4A 0603 1LN", Company ID=VT00326, MPN=FBMJ1608HM230NT, Solder=SMT
M1: library part "QUECTEL EC21", "Quectel EC21 is a series of LTE category", MFR=QUECTEL, MPN=EC21-CN, Category=IC, Solder=SMT
O1 O2 O3 O4 O5 O6 O7 O8 O9 O10: "OPTOISOLATR 5KV TRANSISTOR 4-SMD", MFR="Lite-On Inc.", Category=Opto, MPN=LTV-816S-TA1, Solder="SMD 4P"
P1 P6 P7 P8 P9 P10 P13 P16 P18 P19: "Pluggable terminal 15EDG- 2P 3.81MM", MFR=China, MPN2=CLA5048, MPN=15EDG3.81-2P, Solder=Hand
P2: library part KFC8X8, "Self-locking button 6p 8x8mm", MFR=China, Category=Button, MPN=KFC8X8, Solder=Wave, URL=http://linhkienchatluong.vn/cac-loai-khac/nut-nhan-8x8mm-6-chan-nhan-giu_sp695_ct1851.aspx, URL2=https://detail.tmall.com/item.htm?spm=a230r.1.14.19.6b277f95Qx3STz&id=576968696503&ns=1&abbucket=2
P3: library part XH-2A, "XH2.54mmm - 2P 180 degree", MPN=XH-2A
P4: library part MUP-C792, "MicroSIM Card Push - Push Holder", MFR=MUPCONNECTOR, Company ID=VT00135, MPN=MUP-C792, Solder=SMT
P5 P11: library part "Header 4x1", "Header, 4 Pin Pitch 2.54mm", MPN=S1012EC-40-ND, Company ID=VT-00125, Solder=WAVE
P12 P14 P17: "Pluggable terminal 15EDG- 3P 3.81MM", MFR=China, MPN2=CLA5050, MPN=15EDG3.81-3P, Solder=Hand
P15: library part "Button 4P", "Button 4P", MFR="China Brand", MPN=CLA1773, Category=Button, Company ID=VT00544, Solder=Wave
P20 P21: "Pluggable terminal 15EDG- 4P 3.81MM", MFR=China, MPN2=CLA5052, MPN=15EDG3.81-4P, Solder=Hand
Q1: "MOSFET N-CH 20V 0.63A SC-75A", MPN=SI1012CR-T1-GE3-ND, Solder=SMT
Q2 Q3 Q4 Q5: "TRANS NPN 50V 0.15A SOT23-3", MPN=2SC1815, Solder=SMT
  Q5: Category=Transistor, Company ID=VT00492
R1 R6 R73: library part CRCW06031M00FKEA, "RES SMD 1M OHM 1% 1/10W 0603", Company ID=VT00405, MPN=CRCW06031M00FKEA, Solder=SMT
R2 R62: library part CR0603-FX-2003ELF, "RES SMD 200K OHM 1% 1/10W 0603", Category=Resistor, MPN=CR0603-FX-2003ELF
R3 R8 R10 R15 R22 R26 R27 R30 R35 R43 R44 R53 R54 R55 R65 R66 R72 R74 R75 R82 R85 R121 R122 R127 R128: library part RC0603FR-07100KL, "RES SMD 100K OHM 1% 1/10W 0603", MPN=RC0603FR-07100KL, Solder=SMT
  R3 R8 R10 R15 R43 R44 R53 R54 R55 R65 R66 R72 R74 R75 R82 R85 R121 R122 R127 R128: Company ID=VT00424
  R22 R26 R27 R30 R35: CompanyID=VT-00332
R4: library part RT0603FRE07680KL, "RES SMD 680K OHM 1% 1/10W 0603", MFR=YAGEO, MPN=RT0603FRE07680KL, Solder=SMT
R5 R24: library part RC0603FR0747KL, "RES SMD 47K OHM 1% 1/10W 0603", MPN=RC0603FR0747KL, Solder=SMT
  R24: CompanyID=VT-00322
R7 R11 R12: library part RC0603FR-0751KL, "RES SMD 51K OHM 1% 1/10W 0603", MFR=Yageo, Category=Resistor, Company ID=VT00453, MPN=RC0603FR-0751KL, Solder=RES-0603
R9: library part RT0603BRD07270KL, "RES SMD 270K OHM 0.1% 1/10W 0603", Company ID=VT00474, MPN=RT0603BRD07270KL
R13 R14 R16: library part RC0603FR-077M5L, "RES SMD 7.5M OHM 1% 1/10W 0603", MPN=RC0603FR-077M5L, Solder=SMT
R17 R28 R31 R32 R59 R60 R67 R68 R77 R78 R119 R120 R125 R126: library part RC0603FR-071KL, "RES SMD 1 KOHM 1% 1/10W 0603", MPN=RC0603FR-071KL, Solder=SMT
  R17 R59 R60 R67 R68 R77 R78 R119 R120 R125 R126: Company ID=VT00433
  R28 R31 R32: CompanyID=VT-00574
R18 R19 R20 R23 R29 R33 R34 R39 R45 R46 R47 R48 R61 R79 R84 R92 R93 R96 R105 R114 R117 R123 R124: library part RC0603FR-0710KL, "RES SMD 10K OHM 1% 1/10W 0603", MPN=RC0603FR-0710KL, Solder=SMT
  R18 R19 R20 R23 R29 R33 R34 R39: CompanyID=VT-00328
  R45 R46 R47 R48 R61 R79 R84 R92 R93 R96 R105 R114 R117 R123 R124: Company ID=VT00426
R21: library part RC0603FR-071K2L, "RES SMD 1.2K OHM 1% 1/10W 0603", CompanyID=VT-01075, MPN=RC0603FR-071K2L, Solder=SMT
R25: library part CRCW06032K20FKEA, "RES SMD 2.2K OHM 1% 1/10W 0603", Company ID=VT00406, MPN=CRCW06032K20FKEA, Solder=SMT
R36 R37 R38 R41 R70 R81 R89: library part RC0603FR-070R, "RES SMD 0 OHM 1% 1/10W 0603", Company ID=VT00423, MPN=RC0603FR-070R, Solder=SMT
R40 R42: library part RC0603FR-0722RL, "RES SMD 22 OHM 1% 1/10W 0603", CompanyID=VT-00881, MPN=RC0603FR-0722RL, Solder=SMT
R49 R50 R51 R52: library part TNPW06031R00DEEA, "RES 1 OHM 0.5% 1/8W 0603", Temperature Coefficient=25ppm/C, MPN=TNPW06031R00DEEA, Solder=SMT
R56: library part 01M1002JF, "THERMISTOR NTC 10KOHM 3964K BEAD", MFR=Vishay, Category=RESISTOR, MPN=01M1002JF, Solder=Wave
R57 R58 R64: library part RC0603FR-07470KL, "RES SMD 470K OHM 1% 1/10W 0603", MPN=RC0603FR-07470K, Company ID=VT00448, Solder=SMT
R63: library part CRCW060368K0FKEA, "RES SMD 68K OHM 1% 1/10W 0603", MPN=CRCW060368K0FKEA, Solder=SMT
R69: library part RC0603FR-07330RL, "RES SMD 330 OHM 1% 1/10W 0603", Company ID=VT00443, MPN=RC0603FR-07330RL, Solder=SMT
R71: library part RC0603FR-07180RL, "RES SMD 180 OHM 1% 1/10W 0603", Company ID=VT00430, MPN=RC0603FR-07180RL, Solder=SMT
R76 R83: library part RC0603FR-07560RL, "RES SMD 560 OHM 1% 1/10W 0603", Company ID=VT00455, MPN=RC0603FR-07560RL, Solder=SMT
R80: library part RC0603FR-07120RL, "RES SMD 120 OHM 1% 1/10W 0603", Company ID=VT00427, MPN=RC0603FR-07120RL, Solder=SMT
R86 R87 R94 R95 R97 R98 R108 R109: library part RC0603FR-075K1L, "RES SMD 5.1K OHM 1% 1/10W 0603", MFR=Yageo, Category=RESISTOR, Company ID=VT00457, MPN=RC0603FR-075K1L
R88 R90 R91: library part RC0603FR-070RL, "RES SMD 0.0OHM JUMPER 1/10W 0603", Company ID=VT00423, MPN=RC0603FR-070RL, Solder=SMT
R99 R110 R113: library part RT0805BRB07100RL, "RES SMD 100 OHM 0.1% 1/8W 0805", MFR=Yageo, Category=Resistor, MPN=RT0805BRB07100RL, Solder=RES-0805
R100 R115: library part RC0603FR-074K7L, "RES SMD 4.7K OHM 1% 1/10W 0603", Company ID=VT00451, MPN=RC0603FR-074K7L, Solder=SMT
R101 R116: library part RC0603FR-0720KL, "RES SMD 20K OHM 1% 1/10W 0603", Company ID=VT00436, MPN=RC0603FR-0720KL, Solder=SMT
R102 R103 R104: library part RT0603BRB0715KL, "RES SMD 15K OHM 0.1% 1/10W 0603 10PPM", MFR=Yageo, Category=RESISTOR, MPN=RT0603BRB0715KL, Solder=RES-0603
R106: library part AC0603FR-07200RL, "RES SMD 200 OHM 1% 1/10W 0603", MFR=YAGEO, Category=RESISTOR, MPN=AC0603FR-07200RL, Solder=RES-0603
R107: library part RC0603FR-070RL, "RES SMD 0.0OHM JUMPER 1/10W 0603", MFR=Yageo, Category=Resistor, Company ID=VT00423, MPN=RC0603FR-070RL, Solder=SMT
R111: library part TNPW060312K0BYEN, "RES 12K OHM 0.1% 1/8W 0603", MFR="Vishay Dale", Category=RESISTOR, MPN=TNPW060312K0BYEN, Solder=SMT
R112 R118: library part CRCW06031M00FKEA, "RES SMD 1M OHM 1% 1/10W 0603", MFR="Vishay Dale", Category=Resistor, Company ID=VT00405, MPN=CRCW06031M00FKEA, Solder=SMT
U1 U4: "IC REG BUCK ADJUSTABLE 2A 8SOIC", MFR=TI, Category=IC, MPN=TPS54231DR, Solder=SOIC8
U2: "IC REG LINEAR 1.25V 500MA 6WSON", MFR=TI, Category=IC, MPN=TPS7A26125DRVR, Solder=6WSON
U3: library part TPS7A0233PDBVR, "NANOPOWER LDO", Current - Quiescent=60nA, Category=IC, MPN=TPS7A0233PDBVR, Solder=SOT23-5
U5: "NANOPOWER LDO", Current - Quiescent=60nA, Category=IC, MPN=TPS7A0233PDBVR, Solder=SOT23-5
U6: "IC LI-ION CHARGE/PWR MGMT 16-QFN", MFR="Texas Instruments", Category=IC, Company ID=VT00206, MPN=BQ24073RGTT, Solder="16-QFN (3x3)"
U7: "IC 4BIT NON-INV TRANSLTR 14TSSOP", Category=IC, MPN=TXS0104EPWR, Solder=SMT
U8: library part SCM512, "M2M communication module e-sim", MFR=ATC, Category=IC, MPN=SCM512, Solder=WSON-8
U9: "TVS DIODE 5VWM 12.5VC SC88", CompanyID=VT-00105, MPN=SMF05CT1G, Solder=SMT
U10 U11 U12 U13: library part INA180A2IDBVT, "IC CURR SENSE 1 CIRCUIT SOT23-5", MFR=TI, Category=IC, MPN=INA180A2IDBVT, Solder=SOT23-5
U14: "IC MCU 32BIT 192KB FLASH 64LQFP", MFR=ST, Category=IC, MPN=STM32L071RZT6TR, Solder="64 LQFP"
U15: "IC FLSH 8MBIT SPI/QUAD I/O 8WSON", MFR="Winbond Electronics", Category=IC, MPN="W25Q80DLZPIG TR", Solder=SMT
U16: library part SN65HVD72DR, "IC TRANSCEIVER HALF 1/1 8SOIC", MFR=TI, Category=IC, MPN=SN65HVD72DR, Solder=SOIC-8
U17: library part RA-01S, "Module lora RA-01S SX1268", MFR=AI-THINKER, Category=Module, MPN=RA-01S, Solder="SMT 16"
U18: "IC VREF SHUNT ADJ SOT23-3", MFR=TI, Category=IC, MPN=REF3040AIDBZR, Solder=SOT-23
U19 U21: "2-ch, 1.65-V to 5.5-V inverters with 3-state outputs", MFR=TI, Category=IC, MPN=SN74LVC2G240DCUR, Solder=VSSOP
U20: library part OPA2333AIDGKR, "OPA2333 1.8V, 17A, 2 CHANNELS, M", MFR=TI, Category=IC, MPN=OPA2333AIDGKR, Solder=VSSOP-8
X1: library part ABS06-107-32.768kHz-T, "CRYSTAL 32.7680KHZ 4pF SMD", Company ID=VT00159, MPN=ABS06-107-32.768kHz-T, Solder=SMT

## Via types
v1: diameter 0.6, hole 0.3, Top Layer to Bottom Layer, tented both sides, 749 vias
v2: diameter 0.5, hole 0.3, Top Layer to Bottom Layer, tented both sides, 282 vias

## Nets (pads, with @x,y where several pads share a name; then routed paths per layer and width w, separated by ;. In a path a pad name is that pad's centre, name@x,y a point inside that pad or via, vN(x,y) a via of type N, cw(c..) or ccw(c..) an arc to the next point about the centre after c; other vN are vias at no path point)
"4-20mA IN1": C46.2 R46.1 U14.23 | length 26.9
  Top Layer w0.254: v2(57.922,46.136) 58.359,46.136 58.732,46.509 C46.2@58.732,46.541 ; v2(59.132,56.687) 60.669,58.224 ccw(c60.489,58.403) 60.743,58.403 U14.23@60.743,69
  Top Layer w0.3: R46.1@58.732,44.631 C46.2@58.732,46.509
  Layer 3 w0.254: v2(57.922,46.136) 59.132,47.346 v2(59.132,56.687)
"4-20mA IN2": C47.2 R47.1 U14.22 | length 29
  Top Layer w0.254: v2(52.31,46.217) 52.747,46.217 53.12,46.59 C47.2@53.12,46.622 ; v2(58.282,56.687) 60.169,58.574 ccw(c59.989,58.753) 60.243,58.753 U14.22@60.243,69
  Top Layer w0.3: R47.1@53.12,44.631 C47.2@53.12,46.622
  Layer 3 w0.254: v2(52.31,46.217) 52.31,50.609 cw(c52.564,50.609) 52.384,50.789 v2(58.282,56.687)
"4-20mA IN3": C45.2 R45.1 U14.21 | length 31.3
  Top Layer w0.254: v2(46.498,46.436) 47.459,46.436 C45.2@47.508,46.387 ; v2(57.379,56.744) cw(c57.559,56.565) v2(57.379,56.744) 59.669,59.034 ccw(c59.489,59.214) 59.743,59.214 U14.21@59.743,69
  Top Layer w0.3: C45.2@47.498,46.572 47.508,46.562 47.508,46.387 R45.1@47.508,44.631
  Layer 3 w0.254: v2(46.498,46.436) 46.743,46.436 ccw(c46.742,47.228) 47.304,46.669 v2(57.379,56.744)
"4-20mA IN4": C48.2 R48.1 U14.11 | length 38.2
  Top Layer w0.254: v2(40.935,46.723) 41.806,46.723 C48.2@41.896,46.634 ; v2(54.013,73.617) 54.013,73.579 54.162,73.43 U14.11@55.813,73.43
  Top Layer w0.3: R48.1@41.896,44.631 41.896,46.634 C48.2@41.935,46.673
  Layer 3 w0.254: v2(40.935,46.723) 42.488,46.723 54.013,58.248 v2(54.013,73.617)
"4-20mA INPUT1": P9.1 R50.2 U11.3 | length 7.4
  Top Layer w0.5: U11.3@62.342,42.945 62.342,40.815 R50.2@62.302,40.775 62.352,40.775 62.602,40.525 62.602,40.475 64.631,38.447 65.242,38.447 P9.1@66.167,37.522
"4-20mA INPUT2": P6.1 R51.2 U12.3 | length 5.5
  Top Layer w0.5: P6.1@56.718,37.516 56.718,40.761 R51.2@56.732,40.775 56.732,42.673 56.805,42.745 U12.3@56.805,42.945
"4-20mA INPUT3": P7.1 R49.2 U10.3 | length 8.3
  Top Layer w0.5: P7.1@47.269,37.547 49.491,37.547 51.158,39.214 R49.2@51.158,40.794 51.187,40.823 51.187,42.916 U10.3@51.217,42.945
"4-20mA INPUT4": P8.1 R52.2 U13.3 | length 11.7
  Top Layer w0.5: P8.1@37.846,37.573 39.624,39.351 cw(c39.977,38.997) 39.977,39.497 45.065,39.497 ccw(c45.065,39.997) 45.565,39.997 45.565,42.561 45.665,42.661 U13.3@45.665,42.861
"4-20mA OUT": R107.2 U14.17 U19.2 | length 61.4
  Top Layer w0.3: v2(57.013,69.907) 57.067,69.907 57.344,69.63 57.733,69.63 57.743,69.62 U14.17@57.743,69 ; U19.2@72.682,111.331 72.682,110.249 72.974,109.957 v2(74.136,109.957) R107.2@75.35,109.957
  Layer 3 w0.3: v2(57.013,69.907) 63.448,69.907 ccw(c63.448,70.207) 63.66,69.995 63.903,70.238 ccw(c63.691,70.45) 63.991,70.45 63.991,71.785 ccw(c63.691,71.785) 63.991,71.8 63.99,71.818 ; 63.989,71.819 63.989,77.889 cw(c64.289,77.889) 64.078,78.101 64.366,78.39 cw(c64.579,78.178) 64.579,78.478 73.15,78.478 ccw(c73.15,78.778) 73.362,78.566 74.048,79.252 ccw(c73.836,79.464) 74.136,79.464 v2(74.136,109.957)